# Altium PCB Axiom_Gamma_LSB.PcbDoc (part 2 of 4)
Units mm, origin at the board's own origin, x right, y up, seen from the top; angles counter-clockwise.
Board outline 111 x 121 mm, 4 copper layers (Component Side, Signal Layer, Ground Plane, Solder Side), stack 0.844 mm thick; 55 components, 86 nets, 485 pads, 241 vias.
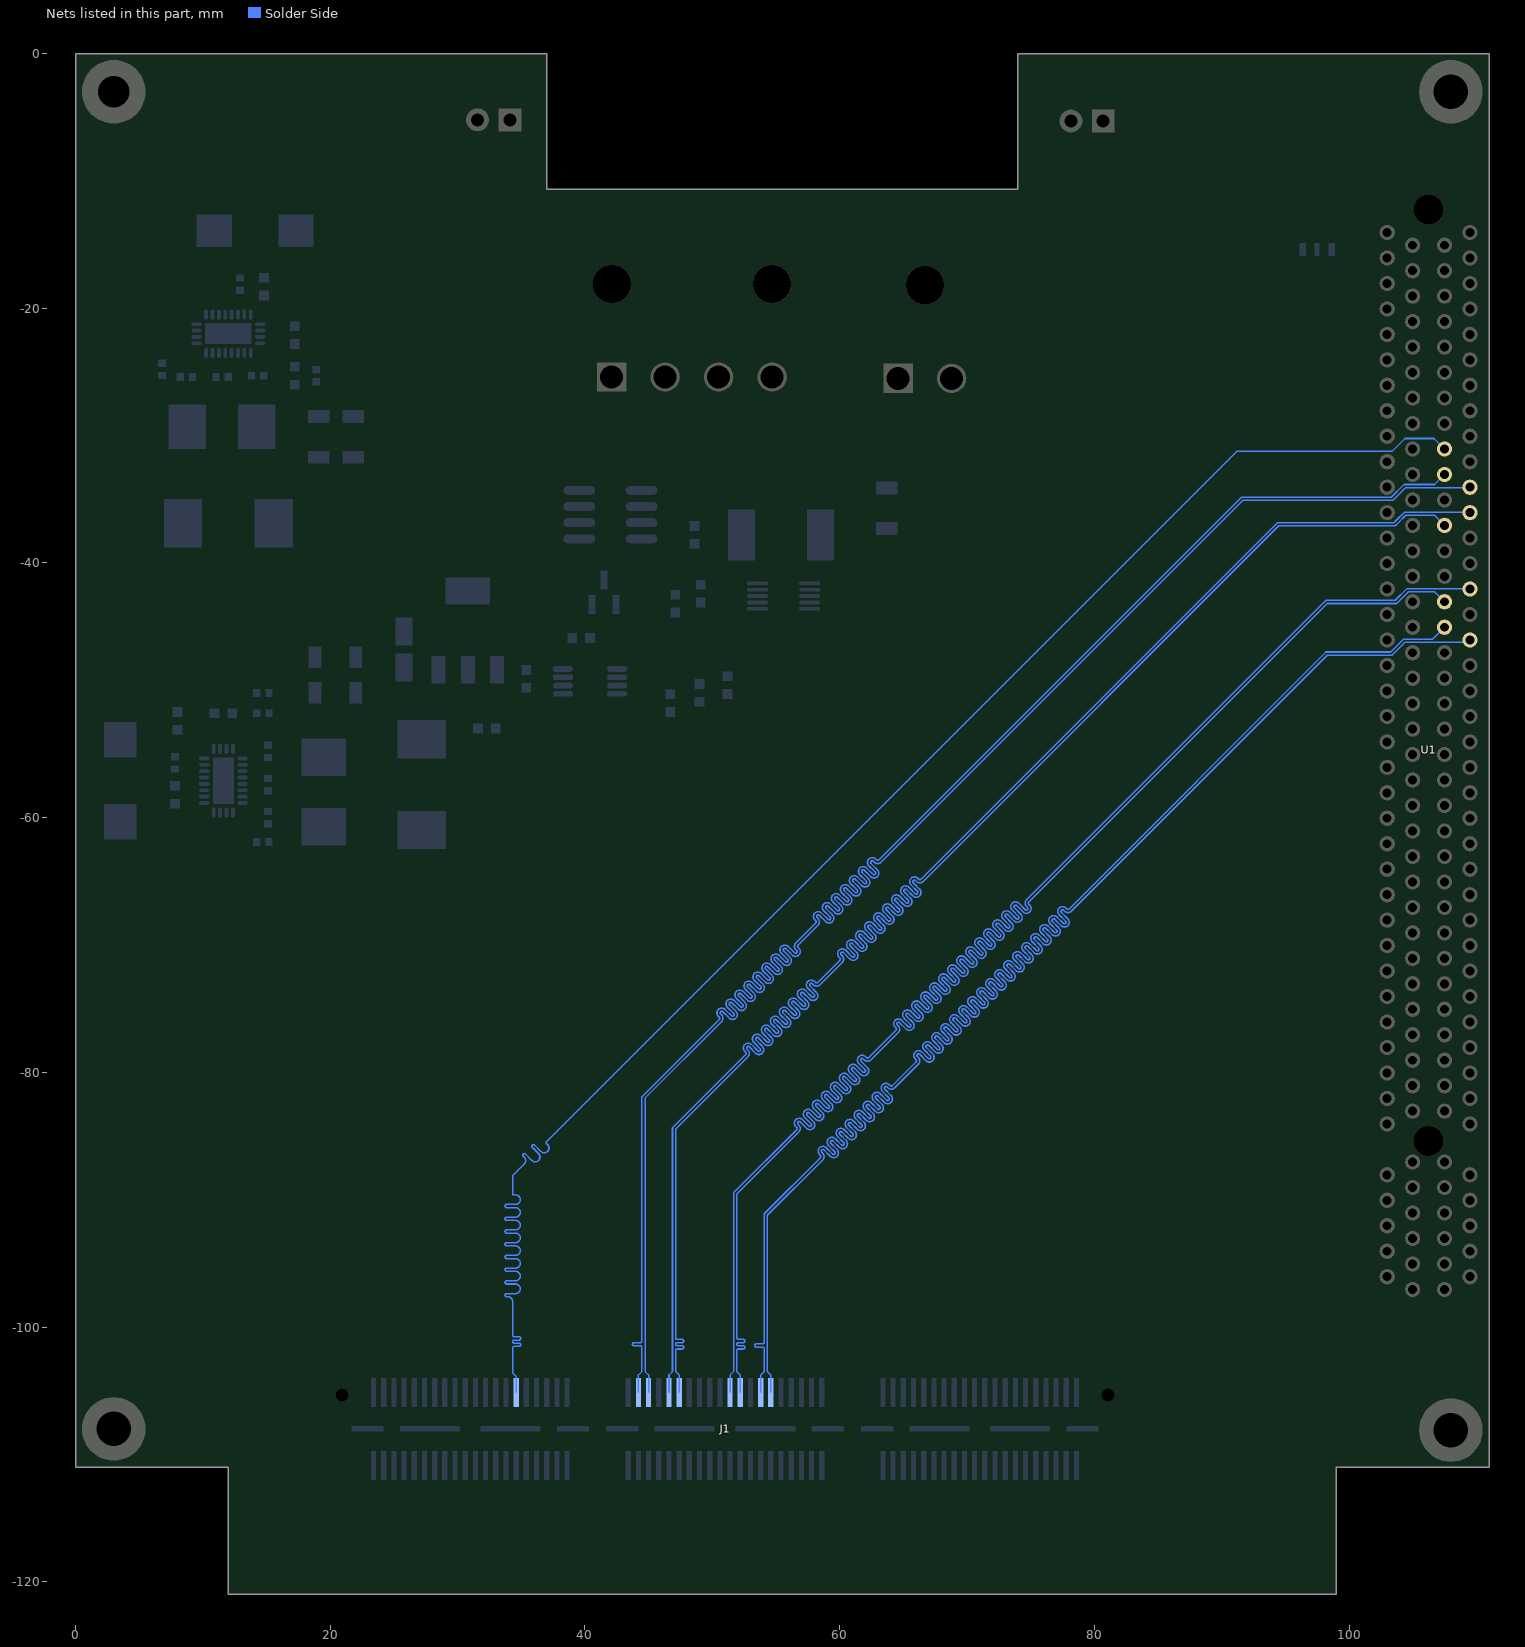
[diagram p4: the nets of this part, all layers, seen from the top]

## Via types
v1: diameter 0.6, hole 0.25, Component Side to Solder Side, 241 vias

## Nets (pads, with @x,y where several pads share a name; then routed paths per layer and width w, separated by ;. In a path a pad name is that pad's centre, name@x,y a point inside that pad or via, vN(x,y) a via of type N, cw(c..) or ccw(c..) an arc to the next point about the centre after c; other vN are vias at no path point) (continued)
HSIOM2_LVDS_4_SSCLK_P: J1.92 U1.B65 | length 136.1
  Solder Side w0.125: J1.92@34.598,-105.135 34.598,-103.893 34.323,-103.618 34.323,-101.9 34.323,-101.775 34.323,-101.65 cw(c34.448,-101.65) 34.448,-101.525 34.832,-101.525 ccw(c34.832,-101.4) 34.957,-101.4 ccw(c34.832,-101.4) 34.832,-101.275 34.448,-101.275 cw(c34.448,-101.15) 34.323,-101.15 cw(c34.448,-101.15) 34.448,-101.025 34.832,-101.025 ccw(c34.832,-100.9) 34.957,-100.9 ccw(c34.832,-100.9) 34.832,-100.775 34.448,-100.775 cw(c34.448,-100.65) 34.323,-100.65 34.323,-100.6 34.323,-98 ccw(c33.948,-98) 33.948,-97.625 33.848,-97.625 cw(c33.848,-97.5) 33.723,-97.5 cw(c33.848,-97.5) 33.848,-97.375 34.548,-97.375 ccw(c34.548,-97) 34.923,-97 ccw(c34.548,-97) 34.548,-96.625 33.848,-96.625 cw(c33.848,-96.5) 33.723,-96.5 cw(c33.848,-96.5) 33.848,-96.375 34.548,-96.375 ccw(c34.548,-96) 34.923,-96 ccw(c34.548,-96) 34.548,-95.625 33.848,-95.625 cw(c33.848,-95.5) 33.723,-95.5 cw(c33.848,-95.5) 33.848,-95.375 34.548,-95.375 ccw(c34.548,-95) 34.923,-95 ccw(c34.548,-95) 34.548,-94.625 33.848,-94.625 cw(c33.848,-94.5) 33.723,-94.5 cw(c33.848,-94.5) 33.848,-94.375 34.548,-94.375 ccw(c34.548,-94) 34.923,-94 ccw(c34.548,-94) 34.548,-93.625 33.848,-93.625 cw(c33.848,-93.5) 33.723,-93.5 cw(c33.848,-93.5) 33.848,-93.375 34.548,-93.375 ccw(c34.548,-93) 34.923,-93 ccw(c34.548,-93) 34.548,-92.625 33.848,-92.625 cw(c33.848,-92.5) 33.723,-92.5 cw(c33.848,-92.5) 33.848,-92.375 34.548,-92.375 ccw(c34.548,-92) 34.923,-92 ccw(c34.548,-92) 34.548,-91.625 33.848,-91.625 cw(c33.848,-91.5) 33.723,-91.5 cw(c33.848,-91.5) 33.848,-91.375 34.548,-91.375 ccw(c34.548,-91) 34.923,-91 ccw(c34.548,-91) 34.548,-90.625 33.848,-90.625 cw(c33.848,-90.5) 33.723,-90.5 cw(c33.848,-90.5) 33.848,-90.375 34.548,-90.375 ccw(c34.548,-90) 34.923,-90 ccw(c34.548,-90) 34.548,-89.625 34.348,-89.625 cw(c34.348,-89.6) 34.323,-89.6 34.323,-88.107 35.23,-87.2 ccw(c34.965,-86.935) 35.34,-86.935 ccw(c34.965,-86.935) 35.23,-86.67 35.159,-86.599 cw(c35.248,-86.511) 35.159,-86.423 ; 35.159,-86.422 cw(c35.248,-86.511) 35.336,-86.422 ; 35.336,-86.422 35.831,-86.917 ccw(c36.096,-86.652) 36.361,-86.917 ccw(c36.096,-86.652) 36.471,-86.652 ccw(c36.096,-86.652) 36.361,-86.387 35.866,-85.892 cw(c35.955,-85.803) 35.866,-85.715 cw(c35.955,-85.803) 36.043,-85.715 ; 36.043,-85.715 36.538,-86.21 ccw(c36.803,-85.945) 37.068,-86.21 ccw(c36.803,-85.945) 37.178,-85.945 ccw(c36.803,-85.945) 37.068,-85.68 36.998,-85.609 cw(c37.086,-85.521) 36.998,-85.432 91.19,-31.24 103.382,-31.24 104.394,-30.228 106.678,-30.228 U1.B65@107.5,-31.05
HSIOM2_LVDS_5_N: J1.78 U1.B63 | length 136
  Solder Side w0.125: J1.78@44.198,-105.135 44.198,-103.761 44.473,-103.486 44.473,-101.6 ccw(c44.348,-101.6) 44.348,-101.475 43.854,-101.475 cw(c43.854,-101.35) 43.729,-101.35 cw(c43.854,-101.35) 43.854,-101.225 44.348,-101.225 ccw(c44.348,-101.1) 44.473,-101.1 44.473,-100.5 44.473,-81.921 50.547,-75.847 ccw(c50.459,-75.759) 50.584,-75.759 ccw(c50.459,-75.759) 50.547,-75.67 50.477,-75.6 cw(c50.742,-75.335) 50.477,-75.069 cw(c50.742,-75.335) 51.007,-75.069 51.502,-75.564 ccw(c51.59,-75.476) 51.678,-75.565 ; 51.679,-75.564 ccw(c51.59,-75.476) 51.715,-75.476 ccw(c51.59,-75.476) 51.679,-75.388 51.184,-74.893 cw(c51.449,-74.627) 51.184,-74.362 cw(c51.449,-74.627) 51.714,-74.362 52.209,-74.858 ; 52.209,-74.857 ccw(c52.297,-74.769) 52.385,-74.858 ; 52.386,-74.857 ccw(c52.297,-74.769) 52.422,-74.769 ccw(c52.297,-74.769) 52.386,-74.68 51.891,-74.186 cw(c52.156,-73.92) 51.891,-73.655 cw(c52.156,-73.92) 52.421,-73.655 52.916,-74.15 ; 52.916,-74.15 ccw(c53.004,-74.062) 53.092,-74.151 ; 53.093,-74.15 ccw(c53.004,-74.062) 53.129,-74.062 ccw(c53.004,-74.062) 53.093,-73.973 52.598,-73.478 cw(c52.863,-73.213) 52.598,-72.948 cw(c52.863,-73.213) 53.128,-72.948 53.623,-73.443 ccw(c53.712,-73.355) 53.8,-73.443 ccw(c53.712,-73.355) 53.837,-73.355 ccw(c53.712,-73.355) 53.8,-73.266 53.305,-72.771 cw(c53.57,-72.506) 53.305,-72.241 cw(c53.57,-72.506) 53.835,-72.241 54.33,-72.736 ccw(c54.419,-72.648) 54.507,-72.736 ccw(c54.419,-72.648) 54.544,-72.648 ccw(c54.419,-72.648) 54.507,-72.559 54.012,-72.064 cw(c54.277,-71.799) 54.012,-71.534 cw(c54.277,-71.799) 54.542,-71.534 55.037,-72.029 ccw(c55.126,-71.94) 55.214,-72.029 ; 55.214,-72.029 ccw(c55.126,-71.94) 55.251,-71.94 ccw(c55.126,-71.94) 55.214,-71.852 54.719,-71.357 cw(c54.984,-71.092) 54.719,-70.827 cw(c54.984,-71.092) 55.25,-70.827 55.745,-71.322 ccw(c55.833,-71.233) 55.921,-71.322 ; 55.921,-71.322 ccw(c55.833,-71.233) 55.958,-71.233 ccw(c55.833,-71.233) 55.921,-71.145 55.426,-70.65 cw(c55.691,-70.385) 55.426,-70.12 cw(c55.691,-70.385) 55.957,-70.12 56.452,-70.615 ; 56.452,-70.615 ccw(c56.54,-70.526) 56.628,-70.615 ; 56.629,-70.614 ccw(c56.54,-70.526) 56.665,-70.526 ccw(c56.54,-70.526) 56.628,-70.438 56.558,-70.367 cw(c56.823,-70.102) 56.558,-69.837 58.123,-68.271 ccw(c58.035,-68.183) 58.16,-68.183 ccw(c58.035,-68.183) 58.123,-68.094 58.053,-68.024 cw(c58.318,-67.759) 58.053,-67.493 cw(c58.318,-67.759) 58.583,-67.493 59.078,-67.988 ccw(c59.166,-67.9) 59.254,-67.989 ccw(c59.166,-67.9) 59.291,-67.9 ccw(c59.166,-67.9) 59.255,-67.812 ; 59.255,-67.812 58.76,-67.317 cw(c59.025,-67.051) 58.76,-66.786 cw(c59.025,-67.051) 59.29,-66.786 59.785,-67.282 ccw(c59.873,-67.193) 59.961,-67.282 ccw(c59.873,-67.193) 59.998,-67.193 ccw(c59.873,-67.193) 59.962,-67.104 59.467,-66.61 cw(c59.732,-66.344) 59.467,-66.079 cw(c59.732,-66.344) 59.997,-66.079 60.492,-66.574 ccw(c60.58,-66.486) 60.668,-66.575 ; 60.669,-66.574 ccw(c60.58,-66.486) 60.705,-66.486 ccw(c60.58,-66.486) 60.669,-66.397 60.174,-65.902 cw(c60.439,-65.637) 60.174,-65.372 cw(c60.439,-65.637) 60.704,-65.372 61.199,-65.867 ; 61.199,-65.867 ccw(c61.288,-65.779) 61.376,-65.867 ; 61.376,-65.867 ccw(c61.288,-65.779) 61.413,-65.779 ccw(c61.288,-65.779) 61.376,-65.69 60.881,-65.195 cw(c61.146,-64.93) 60.881,-64.665 cw(c61.146,-64.93) 61.411,-64.665 61.906,-65.16 ; 61.907,-65.16 ccw(c61.995,-65.072) 62.083,-65.16 ccw(c61.995,-65.072) 62.12,-65.072 ccw(c61.995,-65.072) 62.083,-64.983 61.588,-64.488 cw(c61.853,-64.223) 61.588,-63.958 cw(c61.853,-64.223) 62.118,-63.958 62.613,-64.453 ccw(c62.702,-64.364) 62.79,-64.453 ccw(c62.702,-64.364) 62.827,-64.364 ccw(c62.702,-64.364) 62.79,-64.276 ; 62.79,-64.276 62.295,-63.781 cw(c62.56,-63.516) 62.295,-63.251 cw(c62.56,-63.516) 62.826,-63.251 62.896,-63.321 ccw(c62.985,-63.233) 63.073,-63.321 91.557,-34.838 103.326,-34.838 104.326,-33.838 106.712,-33.838 U1.B63@107.5,-33.05
HSIOM2_LVDS_5_P: J1.76 U1.B62 | length 136
  Solder Side w0.125: J1.76@44.998,-105.135 44.998,-103.761 44.723,-103.486 44.723,-101.6 44.723,-101.1 44.723,-100.5 44.723,-82.025 50.724,-76.024 ccw(c50.459,-75.759) 50.834,-75.759 ccw(c50.459,-75.759) 50.724,-75.494 50.653,-75.423 cw(c50.742,-75.335) 50.653,-75.247 ; 50.653,-75.246 cw(c50.742,-75.335) 50.83,-75.246 ; 50.83,-75.246 51.325,-75.741 ccw(c51.59,-75.476) 51.855,-75.741 ccw(c51.59,-75.476) 51.965,-75.476 ccw(c51.59,-75.476) 51.855,-75.211 51.36,-74.716 cw(c51.449,-74.627) 51.36,-74.539 cw(c51.449,-74.627) 51.537,-74.539 ; 51.537,-74.539 52.032,-75.034 ccw(c52.297,-74.769) 52.562,-75.034 ccw(c52.297,-74.769) 52.672,-74.769 ccw(c52.297,-74.769) 52.562,-74.504 52.067,-74.008 cw(c52.156,-73.92) 52.067,-73.832 cw(c52.156,-73.92) 52.244,-73.832 52.739,-74.327 ccw(c53.004,-74.062) 53.27,-74.327 ccw(c53.004,-74.062) 53.379,-74.062 ccw(c53.004,-74.062) 53.27,-73.797 52.774,-73.301 cw(c52.863,-73.213) 52.774,-73.125 cw(c52.863,-73.213) 52.951,-73.125 53.446,-73.62 ccw(c53.712,-73.355) 53.977,-73.62 ccw(c53.712,-73.355) 54.087,-73.355 ccw(c53.712,-73.355) 53.977,-73.089 53.482,-72.594 ; 53.482,-72.594 cw(c53.57,-72.506) 53.482,-72.418 cw(c53.57,-72.506) 53.658,-72.417 53.906,-72.665 54.154,-72.913 ccw(c54.419,-72.648) 54.684,-72.913 ccw(c54.419,-72.648) 54.794,-72.648 ccw(c54.419,-72.648) 54.684,-72.382 54.189,-71.887 cw(c54.277,-71.799) 54.188,-71.711 ; 54.189,-71.711 cw(c54.277,-71.799) 54.366,-71.711 ; 54.365,-71.71 54.861,-72.206 ccw(c55.126,-71.94) 55.391,-72.206 ccw(c55.126,-71.94) 55.501,-71.94 ccw(c55.126,-71.94) 55.391,-71.675 54.896,-71.18 cw(c54.984,-71.092) 54.896,-71.004 cw(c54.984,-71.092) 55.073,-71.003 ; 55.073,-71.003 55.568,-71.498 ccw(c55.833,-71.233) 56.098,-71.498 ccw(c55.833,-71.233) 56.208,-71.233 ccw(c55.833,-71.233) 56.098,-70.968 55.603,-70.473 cw(c55.691,-70.385) 55.603,-70.297 cw(c55.691,-70.385) 55.78,-70.296 56.275,-70.791 ccw(c56.54,-70.526) 56.805,-70.791 ccw(c56.54,-70.526) 56.915,-70.526 ccw(c56.54,-70.526) 56.805,-70.261 56.734,-70.19 cw(c56.823,-70.102) 56.734,-70.014 58.3,-68.448 ccw(c58.035,-68.183) 58.41,-68.183 ccw(c58.035,-68.183) 58.3,-67.918 58.229,-67.847 cw(c58.318,-67.759) 58.229,-67.671 cw(c58.318,-67.759) 58.406,-67.67 58.901,-68.165 ccw(c59.166,-67.9) 59.431,-68.165 ccw(c59.166,-67.9) 59.541,-67.9 ccw(c59.166,-67.9) 59.431,-67.635 58.936,-67.14 cw(c59.025,-67.051) 58.936,-66.963 ; 58.936,-66.963 cw(c59.025,-67.051) 59.113,-66.963 59.608,-67.458 ccw(c59.873,-67.193) 60.138,-67.458 ccw(c59.873,-67.193) 60.248,-67.193 ccw(c59.873,-67.193) 60.138,-66.928 59.643,-66.432 ; 59.644,-66.433 cw(c59.732,-66.344) 59.643,-66.256 ; 59.644,-66.256 cw(c59.732,-66.344) 59.82,-66.256 60.315,-66.751 ccw(c60.58,-66.486) 60.846,-66.751 ccw(c60.58,-66.486) 60.955,-66.486 ccw(c60.58,-66.486) 60.846,-66.221 60.35,-65.725 cw(c60.439,-65.637) 60.35,-65.549 cw(c60.439,-65.637) 60.527,-65.549 61.022,-66.044 ccw(c61.288,-65.779) 61.553,-66.044 ccw(c61.288,-65.779) 61.663,-65.779 ccw(c61.288,-65.779) 61.553,-65.513 61.058,-65.018 cw(c61.146,-64.93) 61.058,-64.842 cw(c61.146,-64.93) 61.234,-64.841 61.482,-65.089 61.73,-65.337 ccw(c61.995,-65.072) 62.26,-65.337 ccw(c61.995,-65.072) 62.37,-65.072 ccw(c61.995,-65.072) 62.26,-64.806 ; 61.764,-64.135 ccw(c61.853,-64.223) 61.765,-64.311 62.26,-64.806 ; 61.765,-64.135 cw(c61.853,-64.223) 61.942,-64.135 62.437,-64.63 ccw(c62.702,-64.364) 62.967,-64.63 ccw(c62.702,-64.364) 63.077,-64.364 ccw(c62.702,-64.364) 62.967,-64.099 62.472,-63.604 cw(c62.56,-63.516) 62.472,-63.428 ; 62.472,-63.427 cw(c62.56,-63.516) 62.649,-63.427 62.719,-63.498 ccw(c62.985,-63.233) 63.25,-63.498 91.66,-35.088 103.43,-35.088 104.43,-34.088 106.712,-34.088 109.462,-34.088 U1.B62@109.5,-34.05
HSIOM2_LVDS_6_N: J1.72 U1.B60 | length 134.7
  Solder Side w0.125: J1.72@46.598,-105.135 46.598,-103.761 46.873,-103.486 46.873,-102.1 46.873,-101.975 46.873,-101.85 46.873,-100.85 46.873,-100.1 46.873,-84.348 52.623,-78.599 ccw(c52.535,-78.51) 52.66,-78.51 ccw(c52.535,-78.51) 52.623,-78.422 52.553,-78.351 cw(c52.818,-78.086) 52.553,-77.821 cw(c52.818,-78.086) 53.083,-77.821 53.578,-78.316 ccw(c53.666,-78.227) 53.754,-78.316 ; 53.755,-78.316 ccw(c53.666,-78.227) 53.791,-78.227 ccw(c53.666,-78.227) 53.755,-78.139 ; 53.755,-78.139 53.26,-77.644 cw(c53.525,-77.379) 53.26,-77.114 cw(c53.525,-77.379) 53.79,-77.114 54.285,-77.609 ccw(c54.373,-77.52) 54.461,-77.609 ccw(c54.373,-77.52) 54.498,-77.52 ccw(c54.373,-77.52) 54.462,-77.432 ; 54.462,-77.432 53.967,-76.937 cw(c54.232,-76.672) 53.967,-76.407 cw(c54.232,-76.672) 54.497,-76.407 54.992,-76.902 ccw(c55.08,-76.813) 55.168,-76.902 ccw(c55.08,-76.813) 55.205,-76.813 ccw(c55.08,-76.813) 55.169,-76.725 54.674,-76.23 cw(c54.939,-75.965) 54.674,-75.7 cw(c54.939,-75.965) 55.204,-75.7 55.699,-76.195 ccw(c55.788,-76.106) 55.876,-76.195 ; 55.876,-76.195 ccw(c55.788,-76.106) 55.913,-76.106 ccw(c55.788,-76.106) 55.876,-76.018 55.381,-75.523 cw(c55.646,-75.258) 55.381,-74.992 cw(c55.646,-75.258) 55.911,-74.992 56.407,-75.488 ccw(c56.495,-75.399) 56.583,-75.487 ccw(c56.495,-75.399) 56.62,-75.399 ccw(c56.495,-75.399) 56.583,-75.311 56.088,-74.816 cw(c56.353,-74.55) 56.088,-74.285 cw(c56.353,-74.55) 56.618,-74.285 57.113,-74.78 ccw(c57.202,-74.692) 57.29,-74.781 ccw(c57.202,-74.692) 57.327,-74.692 ccw(c57.202,-74.692) 57.29,-74.604 ; 57.29,-74.604 56.795,-74.109 cw(c57.06,-73.843) 56.795,-73.578 cw(c57.06,-73.843) 57.326,-73.578 57.821,-74.073 ccw(c57.909,-73.985) 57.997,-74.074 ccw(c57.909,-73.985) 58.034,-73.985 ccw(c57.909,-73.985) 57.997,-73.896 57.502,-73.401 cw(c57.767,-73.136) 57.502,-72.871 cw(c57.767,-73.136) 58.033,-72.871 58.103,-72.942 ccw(c58.192,-72.853) 58.28,-72.942 60.022,-71.2 ccw(c59.934,-71.112) 60.059,-71.112 ccw(c59.934,-71.112) 60.022,-71.023 59.951,-70.953 cw(c60.216,-70.687) 59.951,-70.422 cw(c60.216,-70.687) 60.482,-70.422 60.977,-70.917 ccw(c61.065,-70.829) 61.153,-70.918 ccw(c61.065,-70.829) 61.19,-70.829 ccw(c61.065,-70.829) 61.153,-70.74 60.658,-70.245 cw(c60.924,-69.98) 60.658,-69.715 cw(c60.924,-69.98) 61.189,-69.715 61.684,-70.21 ccw(c61.772,-70.122) 61.86,-70.21 ccw(c61.772,-70.122) 61.897,-70.122 ccw(c61.772,-70.122) 61.86,-70.033 61.365,-69.538 cw(c61.631,-69.273) 61.365,-69.008 cw(c61.631,-69.273) 61.896,-69.008 62.391,-69.503 ccw(c62.479,-69.415) 62.567,-69.503 ; 62.568,-69.503 ccw(c62.479,-69.415) 62.604,-69.415 ccw(c62.479,-69.415) 62.568,-69.326 62.073,-68.831 cw(c62.338,-68.566) 62.073,-68.301 cw(c62.338,-68.566) 62.603,-68.301 63.098,-68.796 ; 63.098,-68.796 ccw(c63.186,-68.707) 63.274,-68.796 ; 63.275,-68.796 ccw(c63.186,-68.707) 63.311,-68.707 ccw(c63.186,-68.707) 63.275,-68.619 62.78,-68.124 cw(c63.045,-67.859) 62.78,-67.594 cw(c63.045,-67.859) 63.31,-67.594 63.805,-68.089 ccw(c63.893,-68) 63.982,-68.089 ccw(c63.893,-68) 64.018,-68 ccw(c63.893,-68) 63.982,-67.912 ; 63.982,-67.912 63.487,-67.417 cw(c63.752,-67.152) 63.487,-66.887 cw(c63.752,-67.152) 64.017,-66.887 64.512,-67.382 ccw(c64.601,-67.293) 64.689,-67.382 ccw(c64.601,-67.293) 64.726,-67.293 ccw(c64.601,-67.293) 64.689,-67.205 64.194,-66.71 cw(c64.459,-66.445) 64.194,-66.179 cw(c64.459,-66.445) 64.724,-66.179 65.219,-66.674 ccw(c65.308,-66.586) 65.396,-66.675 ccw(c65.308,-66.586) 65.433,-66.586 ccw(c65.308,-66.586) 65.396,-66.498 64.901,-66.003 cw(c65.166,-65.738) 64.901,-65.472 cw(c65.166,-65.738) 65.431,-65.472 65.927,-65.968 ccw(c66.015,-65.879) 66.103,-65.968 ; 66.104,-65.967 ccw(c66.015,-65.879) 66.14,-65.879 ccw(c66.015,-65.879) 66.103,-65.791 65.608,-65.296 cw(c65.873,-65.03) 65.608,-64.765 cw(c65.873,-65.03) 66.139,-64.765 66.209,-64.836 ccw(c66.298,-64.748) 66.386,-64.836 94.384,-36.838 103.527,-36.838 103.709,-36.655 104.352,-36.012 109.462,-36.012 U1.B60@109.5,-36.05
HSIOM2_LVDS_6_P: J1.70 U1.B59 | length 134.7
  Solder Side w0.125: J1.70@47.398,-105.135 47.398,-103.761 47.123,-103.486 47.123,-102.1 47.123,-101.975 47.123,-101.85 cw(c47.248,-101.85) 47.248,-101.725 47.632,-101.725 ccw(c47.632,-101.6) 47.757,-101.6 ccw(c47.632,-101.6) 47.632,-101.475 47.248,-101.475 cw(c47.248,-101.35) 47.123,-101.35 cw(c47.248,-101.35) 47.248,-101.225 47.632,-101.225 ccw(c47.632,-101.1) 47.757,-101.1 ccw(c47.632,-101.1) 47.632,-100.975 47.248,-100.975 cw(c47.248,-100.85) 47.123,-100.85 47.123,-100.1 47.123,-84.452 52.8,-78.776 ccw(c52.535,-78.51) 52.91,-78.51 ccw(c52.535,-78.51) 52.8,-78.245 52.729,-78.174 cw(c52.818,-78.086) 52.729,-77.998 cw(c52.818,-78.086) 52.906,-77.998 53.401,-78.493 ccw(c53.666,-78.227) 53.931,-78.493 ccw(c53.666,-78.227) 54.041,-78.227 ccw(c53.666,-78.227) 53.931,-77.962 53.436,-77.467 cw(c53.525,-77.379) 53.436,-77.291 cw(c53.525,-77.379) 53.613,-77.291 54.108,-77.786 ccw(c54.373,-77.52) 54.638,-77.786 ccw(c54.373,-77.52) 54.748,-77.52 ccw(c54.373,-77.52) 54.638,-77.255 54.143,-76.76 ; 54.143,-76.584 ccw(c54.232,-76.672) 54.144,-76.76 ; 54.144,-76.583 cw(c54.232,-76.672) 54.32,-76.583 54.815,-77.078 ccw(c55.08,-76.813) 55.346,-77.078 ccw(c55.08,-76.813) 55.455,-76.813 ccw(c55.08,-76.813) 55.346,-76.548 54.85,-76.053 cw(c54.939,-75.965) 54.85,-75.877 cw(c54.939,-75.965) 55.027,-75.876 55.522,-76.371 ccw(c55.788,-76.106) 56.053,-76.371 ccw(c55.788,-76.106) 56.163,-76.106 ccw(c55.788,-76.106) 56.053,-75.841 55.558,-75.346 cw(c55.646,-75.258) 55.558,-75.169 cw(c55.646,-75.258) 55.734,-75.169 55.982,-75.417 56.23,-75.664 ccw(c56.495,-75.399) 56.76,-75.664 ccw(c56.495,-75.399) 56.87,-75.399 ccw(c56.495,-75.399) 56.76,-75.134 56.265,-74.639 cw(c56.353,-74.55) 56.264,-74.463 cw(c56.353,-74.55) 56.442,-74.462 56.937,-74.957 ccw(c57.202,-74.692) 57.467,-74.957 ccw(c57.202,-74.692) 57.577,-74.692 ccw(c57.202,-74.692) 57.467,-74.427 56.972,-73.932 cw(c57.06,-73.843) 56.972,-73.755 ; 56.972,-73.755 cw(c57.06,-73.843) 57.149,-73.755 57.644,-74.25 ccw(c57.909,-73.985) 58.174,-74.25 ccw(c57.909,-73.985) 58.284,-73.985 ccw(c57.909,-73.985) 58.174,-73.72 57.679,-73.224 ; 57.679,-73.048 ccw(c57.767,-73.136) 57.679,-73.225 ; 57.679,-73.048 cw(c57.767,-73.136) 57.856,-73.048 57.927,-73.119 ccw(c58.192,-72.853) 58.457,-73.119 60.199,-71.377 ccw(c59.934,-71.112) 60.309,-71.112 ccw(c59.934,-71.112) 60.199,-70.846 60.128,-70.776 cw(c60.216,-70.687) 60.128,-70.599 cw(c60.216,-70.687) 60.305,-70.599 60.8,-71.094 ccw(c61.065,-70.829) 61.33,-71.094 ccw(c61.065,-70.829) 61.44,-70.829 ccw(c61.065,-70.829) 61.33,-70.564 60.835,-70.069 cw(c60.924,-69.98) 60.835,-69.892 ; 60.835,-69.892 cw(c60.924,-69.98) 61.012,-69.892 61.507,-70.387 ccw(c61.772,-70.122) 62.037,-70.387 ccw(c61.772,-70.122) 62.147,-70.122 ccw(c61.772,-70.122) 62.037,-69.856 61.542,-69.361 cw(c61.631,-69.273) 61.542,-69.185 ; 61.543,-69.184 cw(c61.631,-69.273) 61.719,-69.185 62.214,-69.68 ccw(c62.479,-69.415) 62.744,-69.68 ccw(c62.479,-69.415) 62.854,-69.415 ccw(c62.479,-69.415) 62.744,-69.149 62.249,-68.654 cw(c62.338,-68.566) 62.249,-68.478 cw(c62.338,-68.566) 62.426,-68.478 62.921,-68.973 ccw(c63.186,-68.707) 63.451,-68.973 ccw(c63.186,-68.707) 63.561,-68.707 ccw(c63.186,-68.707) 63.451,-68.442 62.956,-67.947 cw(c63.045,-67.859) 62.956,-67.771 cw(c63.045,-67.859) 63.133,-67.77 63.381,-68.018 63.628,-68.265 ccw(c63.893,-68) 64.159,-68.265 ccw(c63.893,-68) 64.268,-68 ccw(c63.893,-68) 64.159,-67.735 63.664,-67.24 cw(c63.752,-67.152) 63.663,-67.064 ; 63.664,-67.063 cw(c63.752,-67.152) 63.84,-67.063 64.335,-67.558 ccw(c64.601,-67.293) 64.866,-67.558 ccw(c64.601,-67.293) 64.976,-67.293 ccw(c64.601,-67.293) 64.866,-67.028 64.371,-66.533 cw(c64.459,-66.445) 64.37,-66.357 ; 64.371,-66.356 cw(c64.459,-66.445) 64.547,-66.356 65.042,-66.851 ccw(c65.308,-66.586) 65.573,-66.851 ccw(c65.308,-66.586) 65.683,-66.586 ccw(c65.308,-66.586) 65.573,-66.321 65.078,-65.826 cw(c65.166,-65.738) 65.077,-65.65 cw(c65.166,-65.738) 65.255,-65.649 ; 65.254,-65.649 65.75,-66.144 ccw(c66.015,-65.879) 66.28,-66.144 ccw(c66.015,-65.879) 66.39,-65.879 ccw(c66.015,-65.879) 66.28,-65.614 65.785,-65.119 cw(c65.873,-65.03) 65.785,-64.942 cw(c65.873,-65.03) 65.962,-64.942 66.032,-65.013 ccw(c66.298,-64.748) 66.563,-65.013 94.488,-37.088 103.63,-37.088 103.886,-36.832 104.456,-36.262 106.712,-36.262 U1.B59@107.5,-37.05
HSIOM2_LVDS_7_N: J1.60 U1.B54 | length 135.2
  Solder Side w0.125: J1.60@51.398,-105.135 51.398,-103.761 51.673,-103.486 51.673,-102.1 51.673,-101.975 51.673,-101.85 51.673,-100.85 51.673,-100.5 51.673,-89.453 56.626,-84.5 ccw(c56.538,-84.412) 56.663,-84.412 ccw(c56.538,-84.412) 56.626,-84.323 56.556,-84.253 cw(c56.821,-83.987) 56.556,-83.722 cw(c56.821,-83.987) 57.086,-83.722 57.581,-84.217 ccw(c57.669,-84.129) 57.757,-84.218 ; 57.758,-84.217 ccw(c57.669,-84.129) 57.794,-84.129 ccw(c57.669,-84.129) 57.758,-84.04 57.263,-83.545 cw(c57.528,-83.28) 57.263,-83.015 cw(c57.528,-83.28) 57.793,-83.015 58.288,-83.51 ; 58.288,-83.51 ccw(c58.377,-83.422) 58.465,-83.51 ; 58.465,-83.51 ccw(c58.377,-83.422) 58.502,-83.422 ccw(c58.377,-83.422) 58.465,-83.333 ; 58.465,-83.334 57.97,-82.838 cw(c58.235,-82.573) 57.97,-82.308 cw(c58.235,-82.573) 58.5,-82.308 58.996,-82.803 ccw(c59.084,-82.715) 59.172,-82.803 ; 59.172,-82.803 ccw(c59.084,-82.715) 59.209,-82.715 ccw(c59.084,-82.715) 59.172,-82.626 58.677,-82.131 cw(c58.942,-81.866) 58.677,-81.601 cw(c58.942,-81.866) 59.207,-81.601 59.703,-82.096 ccw(c59.791,-82.007) 59.879,-82.096 ccw(c59.791,-82.007) 59.916,-82.007 ccw(c59.791,-82.007) 59.879,-81.919 59.384,-81.424 cw(c59.649,-81.159) 59.384,-80.894 cw(c59.649,-81.159) 59.915,-80.894 60.41,-81.389 ccw(c60.498,-81.3) 60.586,-81.389 ccw(c60.498,-81.3) 60.623,-81.3 ccw(c60.498,-81.3) 60.586,-81.212 60.091,-80.717 cw(c60.356,-80.452) 60.091,-80.187 cw(c60.356,-80.452) 60.622,-80.187 61.117,-80.682 ccw(c61.205,-80.593) 61.293,-80.682 ; 61.293,-80.682 ccw(c61.205,-80.593) 61.33,-80.593 ccw(c61.205,-80.593) 61.293,-80.505 60.798,-80.01 cw(c61.064,-79.745) 60.798,-79.479 cw(c61.064,-79.745) 61.329,-79.479 61.824,-79.974 ccw(c61.912,-79.886) 62,-79.975 ; 62.001,-79.974 ccw(c61.912,-79.886) 62.037,-79.886 ccw(c61.912,-79.886) 62.001,-79.798 61.506,-79.303 cw(c61.771,-79.038) 61.506,-78.772 cw(c61.771,-79.038) 62.036,-78.772 62.107,-78.843 ccw(c62.195,-78.755) 62.283,-78.843 64.426,-76.7 ccw(c64.338,-76.612) 64.463,-76.612 ccw(c64.338,-76.612) 64.426,-76.523 64.356,-76.453 cw(c64.621,-76.187) 64.356,-75.922 cw(c64.621,-76.187) 64.886,-75.922 65.381,-76.417 ccw(c65.469,-76.329) 65.557,-76.418 ; 65.558,-76.417 ccw(c65.469,-76.329) 65.594,-76.329 ccw(c65.469,-76.329) 65.558,-76.24 ; 65.558,-76.241 65.063,-75.745 cw(c65.328,-75.48) 65.063,-75.215 cw(c65.328,-75.48) 65.593,-75.215 66.088,-75.71 ccw(c66.177,-75.622) 66.265,-75.71 ccw(c66.177,-75.622) 66.302,-75.622 ccw(c66.177,-75.622) 66.265,-75.533 ; 66.265,-75.534 65.77,-75.038 cw(c66.035,-74.773) 65.77,-74.508 cw(c66.035,-74.773) 66.3,-74.508 66.796,-75.003 ccw(c66.884,-74.915) 66.972,-75.003 ccw(c66.884,-74.915) 67.009,-74.915 ccw(c66.884,-74.915) 66.972,-74.826 66.477,-74.331 cw(c66.742,-74.066) 66.477,-73.801 cw(c66.742,-74.066) 67.007,-73.801 67.503,-74.296 ; 67.502,-74.296 ccw(c67.591,-74.207) 67.679,-74.296 ; 67.679,-74.296 ccw(c67.591,-74.207) 67.716,-74.207 ccw(c67.591,-74.207) 67.679,-74.119 67.184,-73.624 cw(c67.449,-73.359) 67.184,-73.094 cw(c67.449,-73.359) 67.715,-73.094 68.21,-73.589 ccw(c68.298,-73.5) 68.386,-73.589 ccw(c68.298,-73.5) 68.423,-73.5 ccw(c68.298,-73.5) 68.386,-73.412 ; 68.387,-73.412 67.891,-72.917 cw(c68.156,-72.652) 67.891,-72.387 cw(c68.156,-72.652) 68.422,-72.387 68.917,-72.882 ccw(c69.005,-72.793) 69.093,-72.882 ; 69.093,-72.882 ccw(c69.005,-72.793) 69.13,-72.793 ccw(c69.005,-72.793) 69.093,-72.705 68.598,-72.21 cw(c68.864,-71.945) 68.598,-71.679 cw(c68.864,-71.945) 69.129,-71.679 69.624,-72.174 ccw(c69.712,-72.086) 69.8,-72.175 ccw(c69.712,-72.086) 69.837,-72.086 ccw(c69.712,-72.086) 69.801,-71.998 69.306,-71.503 cw(c69.571,-71.238) 69.306,-70.972 cw(c69.571,-71.238) 69.836,-70.972 70.331,-71.468 ccw(c70.419,-71.379) 70.507,-71.468 ccw(c70.419,-71.379) 70.544,-71.379 ccw(c70.419,-71.379) 70.508,-71.291 70.013,-70.796 cw(c70.278,-70.53) 70.013,-70.265 cw(c70.278,-70.53) 70.543,-70.265 71.038,-70.76 ; 71.038,-70.76 ccw(c71.126,-70.672) 71.214,-70.761 ; 71.215,-70.76 ccw(c71.126,-70.672) 71.251,-70.672 ccw(c71.126,-70.672) 71.215,-70.583 70.72,-70.088 cw(c70.985,-69.823) 70.72,-69.558 cw(c70.985,-69.823) 71.25,-69.558 71.745,-70.053 ; 71.674,-69.629 71.427,-69.381 cw(c71.692,-69.116) 71.427,-68.851 cw(c71.692,-69.116) 71.957,-68.851 72.452,-69.346 ccw(c72.541,-69.258) 72.629,-69.346 ccw(c72.541,-69.258) 72.666,-69.258 ccw(c72.541,-69.258) 72.629,-69.169 ; 71.675,-69.629 71.922,-69.876 ; 71.745,-70.053 ccw(c71.833,-69.965) 71.922,-70.053 ccw(c71.833,-69.965) 71.958,-69.965 ccw(c71.833,-69.965) 71.922,-69.877 ; 72.629,-69.169 72.134,-68.674 cw(c72.399,-68.409) 72.134,-68.144 cw(c72.399,-68.409) 72.664,-68.144 73.159,-68.639 ccw(c73.248,-68.55) 73.336,-68.639 ccw(c73.248,-68.55) 73.373,-68.55 ccw(c73.248,-68.55) 73.336,-68.462 72.841,-67.967 cw(c73.106,-67.702) 72.841,-67.437 cw(c73.106,-67.702) 73.371,-67.437 73.867,-67.932 ccw(c73.955,-67.843) 74.043,-67.932 ; 74.043,-67.932 ccw(c73.955,-67.843) 74.08,-67.843 ccw(c73.955,-67.843) 74.043,-67.755 73.548,-67.26 cw(c73.813,-66.995) 73.548,-66.73 cw(c73.813,-66.995) 74.079,-66.73 74.574,-67.225 ; 74.574,-67.225 ccw(c74.662,-67.136) 74.75,-67.225 ; 74.751,-67.224 ccw(c74.662,-67.136) 74.787,-67.136 ccw(c74.662,-67.136) 74.75,-67.048 74.68,-66.977 cw(c74.945,-66.712) 74.68,-66.447 98.194,-42.932 103.628,-42.932 104.548,-42.012 106.712,-42.012 109.462,-42.012 U1.B54@109.5,-42.05
HSIOM2_LVDS_7_P: J1.58 U1.B53 | length 135.2
  Solder Side w0.125: J1.58@52.198,-105.135 52.198,-103.761 51.923,-103.486 51.923,-102.1 51.923,-101.975 51.923,-101.85 cw(c52.048,-101.85) 52.048,-101.725 52.432,-101.725 ccw(c52.432,-101.6) 52.557,-101.6 ccw(c52.432,-101.6) 52.432,-101.475 52.048,-101.475 cw(c52.048,-101.35) 51.923,-101.35 cw(c52.048,-101.35) 52.048,-101.225 52.432,-101.225 ccw(c52.432,-101.1) 52.557,-101.1 ccw(c52.432,-101.1) 52.432,-100.975 52.048,-100.975 cw(c52.048,-100.85) 51.923,-100.85 51.923,-100.5 51.923,-89.557 56.803,-84.677 ccw(c56.538,-84.412) 56.913,-84.412 ccw(c56.538,-84.412) 56.803,-84.146 56.733,-84.076 cw(c56.821,-83.987) 56.732,-83.899 cw(c56.821,-83.987) 56.909,-83.899 ; 56.909,-83.899 57.404,-84.394 ccw(c57.669,-84.129) 57.935,-84.394 ccw(c57.669,-84.129) 58.044,-84.129 ccw(c57.669,-84.129) 57.935,-83.864 57.44,-83.369 cw(c57.528,-83.28) 57.439,-83.192 cw(c57.528,-83.28) 57.616,-83.192 58.111,-83.687 ccw(c58.377,-83.422) 58.642,-83.687 ccw(c58.377,-83.422) 58.752,-83.422 ccw(c58.377,-83.422) 58.642,-83.156 58.146,-82.661 cw(c58.235,-82.573) 58.146,-82.485 cw(c58.235,-82.573) 58.324,-82.485 58.818,-82.98 ccw(c59.084,-82.715) 59.349,-82.98 ccw(c59.084,-82.715) 59.459,-82.715 ccw(c59.084,-82.715) 59.349,-82.449 58.854,-81.954 ; 58.853,-81.778 ccw(c58.942,-81.866) 58.854,-81.954 ; 58.854,-81.778 cw(c58.942,-81.866) 59.031,-81.778 59.526,-82.273 ccw(c59.791,-82.007) 60.056,-82.273 ccw(c59.791,-82.007) 60.166,-82.007 ccw(c59.791,-82.007) 60.056,-81.742 59.561,-81.247 ; 59.561,-81.247 cw(c59.649,-81.159) 59.561,-81.07 cw(c59.649,-81.159) 59.738,-81.07 ; 59.738,-81.07 59.985,-81.318 ; 59.985,-81.318 60.233,-81.565 ccw(c60.498,-81.3) 60.763,-81.565 ccw(c60.498,-81.3) 60.873,-81.3 ccw(c60.498,-81.3) 60.763,-81.035 60.268,-80.54 cw(c60.356,-80.452) 60.268,-80.364 cw(c60.356,-80.452) 60.445,-80.363 ; 60.445,-80.363 60.94,-80.858 ccw(c61.205,-80.593) 61.47,-80.858 ccw(c61.205,-80.593) 61.58,-80.593 ccw(c61.205,-80.593) 61.47,-80.328 60.975,-79.833 cw(c61.064,-79.745) 60.975,-79.657 cw(c61.064,-79.745) 61.152,-79.656 61.647,-80.151 ccw(c61.912,-79.886) 62.177,-80.151 ccw(c61.912,-79.886) 62.287,-79.886 ccw(c61.912,-79.886) 62.177,-79.621 61.682,-79.126 cw(c61.771,-79.038) 61.682,-78.95 ; 61.682,-78.949 cw(c61.771,-79.038) 61.859,-78.949 61.93,-79.02 ccw(c62.195,-78.755) 62.46,-79.02 64.603,-76.877 ccw(c64.338,-76.612) 64.713,-76.612 ccw(c64.338,-76.612) 64.603,-76.346 64.533,-76.276 cw(c64.621,-76.187) 64.532,-76.099 cw(c64.621,-76.187) 64.709,-76.099 65.204,-76.594 ccw(c65.469,-76.329) 65.735,-76.594 ccw(c65.469,-76.329) 65.844,-76.329 ccw(c65.469,-76.329) 65.735,-76.064 65.24,-75.569 cw(c65.328,-75.48) 65.239,-75.392 ; 65.24,-75.392 cw(c65.328,-75.48) 65.416,-75.392 65.911,-75.887 ccw(c66.177,-75.622) 66.442,-75.887 ccw(c66.177,-75.622) 66.552,-75.622 ccw(c66.177,-75.622) 66.442,-75.356 65.946,-74.861 ; 65.946,-74.685 ccw(c66.035,-74.773) 65.947,-74.862 ; 65.947,-74.684 cw(c66.035,-74.773) 66.124,-74.685 66.618,-75.18 ccw(c66.884,-74.915) 67.149,-75.18 ccw(c66.884,-74.915) 67.259,-74.915 ccw(c66.884,-74.915) 67.149,-74.649 66.654,-74.154 cw(c66.742,-74.066) 66.653,-73.978 cw(c66.742,-74.066) 66.831,-73.978 67.326,-74.473 ccw(c67.591,-74.207) 67.856,-74.473 ccw(c67.591,-74.207) 67.966,-74.207 ccw(c67.591,-74.207) 67.856,-73.942 67.361,-73.447 cw(c67.449,-73.359) 67.361,-73.27 cw(c67.449,-73.359) 67.538,-73.27 67.785,-73.518 ; 67.785,-73.518 68.033,-73.765 ccw(c68.298,-73.5) 68.563,-73.765 ccw(c68.298,-73.5) 68.673,-73.5 ccw(c68.298,-73.5) 68.563,-73.235 68.068,-72.74 cw(c68.156,-72.652) 68.068,-72.564 cw(c68.156,-72.652) 68.245,-72.563 68.74,-73.058 ccw(c69.005,-72.793) 69.27,-73.058 ccw(c69.005,-72.793) 69.38,-72.793 ccw(c69.005,-72.793) 69.27,-72.528 68.775,-72.033 cw(c68.864,-71.945) 68.775,-71.857 ; 68.775,-71.856 cw(c68.864,-71.945) 68.952,-71.856 69.447,-72.351 ccw(c69.712,-72.086) 69.977,-72.351 ccw(c69.712,-72.086) 70.087,-72.086 ccw(c69.712,-72.086) 69.977,-71.821 69.482,-71.326 ; 69.482,-71.326 cw(c69.571,-71.238) 69.482,-71.15 ; 69.482,-71.149 cw(c69.571,-71.238) 69.659,-71.149 ; 69.659,-71.149 70.154,-71.644 ccw(c70.419,-71.379) 70.684,-71.644 ccw(c70.419,-71.379) 70.794,-71.379 ccw(c70.419,-71.379) 70.684,-71.114 70.189,-70.619 cw(c70.278,-70.53) 70.189,-70.442 ; 70.19,-70.442 cw(c70.278,-70.53) 70.366,-70.442 70.861,-70.937 ccw(c71.126,-70.672) 71.392,-70.937 ccw(c71.126,-70.672) 71.501,-70.672 ccw(c71.126,-70.672) 71.392,-70.407 70.896,-69.911 cw(c70.985,-69.823) 70.896,-69.735 cw(c70.985,-69.823) 71.073,-69.735 71.568,-70.23 ccw(c71.833,-69.965) 72.099,-70.23 ccw(c71.833,-69.965) 72.208,-69.965 ccw(c71.833,-69.965) 72.099,-69.7 71.604,-69.205 cw(c71.692,-69.116) 71.604,-69.028 cw(c71.692,-69.116) 71.78,-69.028 72.275,-69.523 ccw(c72.541,-69.258) 72.806,-69.523 ccw(c72.541,-69.258) 72.916,-69.258 ccw(c72.541,-69.258) 72.806,-68.992 72.311,-68.497 cw(c72.399,-68.409) 72.31,-68.321 ; 72.311,-68.321 cw(c72.399,-68.409) 72.488,-68.321 72.983,-68.816 ccw(c73.248,-68.55) 73.513,-68.816 ccw(c73.248,-68.55) 73.623,-68.55 ccw(c73.248,-68.55) 73.513,-68.285 73.018,-67.79 ; 73.018,-67.79 cw(c73.106,-67.702) 73.018,-67.614 ; 73.018,-67.614 cw(c73.106,-67.702) 73.195,-67.614 ; 73.194,-67.613 73.69,-68.109 ccw(c73.955,-67.843) 74.22,-68.109 ccw(c73.955,-67.843) 74.33,-67.843 ccw(c73.955,-67.843) 74.22,-67.578 73.725,-67.083 cw(c73.813,-66.995) 73.725,-66.907 ; 73.725,-66.906 cw(c73.813,-66.995) 73.902,-66.906 74.397,-67.401 ccw(c74.662,-67.136) 74.927,-67.401 ccw(c74.662,-67.136) 75.037,-67.136 ccw(c74.662,-67.136) 74.927,-66.871 74.856,-66.8 cw(c74.945,-66.712) 74.856,-66.624 98.298,-43.182 103.754,-43.182 104.674,-42.262 106.712,-42.262 U1.B53@107.5,-43.05
HSIOM2_LVDS_8_N: J1.54 U1.B51 | length 134.8
  Solder Side w0.125: J1.54@53.798,-105.135 53.798,-103.761 54.073,-103.486 54.073,-101.7 ccw(c53.948,-101.7) 53.948,-101.575 53.454,-101.575 cw(c53.454,-101.45) 53.329,-101.45 cw(c53.454,-101.45) 53.454,-101.325 53.948,-101.325 ccw(c53.948,-101.2) 54.073,-101.2 54.073,-100.2 54.073,-91.117 58.49,-86.7 ccw(c58.402,-86.612) 58.527,-86.612 ccw(c58.402,-86.612) 58.49,-86.523 58.42,-86.453 cw(c58.685,-86.187) 58.42,-85.922 cw(c58.685,-86.187) 58.95,-85.922 59.445,-86.417 ccw(c59.533,-86.329) 59.621,-86.418 ; 59.622,-86.417 ccw(c59.533,-86.329) 59.658,-86.329 ccw(c59.533,-86.329) 59.622,-86.24 ; 59.622,-86.241 59.127,-85.745 cw(c59.392,-85.48) 59.127,-85.215 cw(c59.392,-85.48) 59.657,-85.215 60.152,-85.71 ccw(c60.241,-85.622) 60.329,-85.71 ccw(c60.241,-85.622) 60.366,-85.622 ccw(c60.241,-85.622) 60.329,-85.533 ; 60.329,-85.534 59.834,-85.038 cw(c60.099,-84.773) 59.834,-84.508 cw(c60.099,-84.773) 60.364,-84.508 60.86,-85.003 ccw(c60.948,-84.915) 61.036,-85.003 ccw(c60.948,-84.915) 61.073,-84.915 ccw(c60.948,-84.915) 61.036,-84.826 60.541,-84.331 cw(c60.806,-84.066) 60.541,-83.801 cw(c60.806,-84.066) 61.071,-83.801 61.567,-84.296 ; 61.566,-84.296 ccw(c61.655,-84.207) 61.743,-84.296 ; 61.743,-84.296 ccw(c61.655,-84.207) 61.78,-84.207 ccw(c61.655,-84.207) 61.743,-84.119 61.248,-83.624 cw(c61.513,-83.359) 61.248,-83.094 cw(c61.513,-83.359) 61.779,-83.094 62.274,-83.589 ccw(c62.362,-83.5) 62.45,-83.589 ccw(c62.362,-83.5) 62.487,-83.5 ccw(c62.362,-83.5) 62.45,-83.412 ; 62.451,-83.412 61.955,-82.917 cw(c62.22,-82.652) 61.955,-82.387 cw(c62.22,-82.652) 62.486,-82.387 62.981,-82.882 ccw(c63.069,-82.793) 63.157,-82.882 ccw(c63.069,-82.793) 63.194,-82.793 ccw(c63.069,-82.793) 63.157,-82.705 ; 63.158,-82.705 62.662,-82.21 cw(c62.928,-81.945) 62.662,-81.679 cw(c62.928,-81.945) 63.193,-81.679 63.688,-82.174 ccw(c63.776,-82.086) 63.864,-82.175 ccw(c63.776,-82.086) 63.901,-82.086 ccw(c63.776,-82.086) 63.865,-81.998 63.37,-81.503 cw(c63.635,-81.238) 63.37,-80.972 cw(c63.635,-81.238) 63.9,-80.972 63.971,-81.043 ccw(c64.059,-80.955) 64.147,-81.043 66,-79.19 ccw(c65.912,-79.102) 66.037,-79.102 ccw(c65.912,-79.102) 66,-79.014 65.929,-78.943 cw(c66.194,-78.678) 65.929,-78.413 cw(c66.194,-78.678) 66.46,-78.413 66.955,-78.908 ccw(c67.043,-78.819) 67.131,-78.908 ; 67.131,-78.908 ccw(c67.043,-78.819) 67.168,-78.819 ccw(c67.043,-78.819) 67.131,-78.731 ; 67.132,-78.731 66.636,-78.236 cw(c66.902,-77.971) 66.636,-77.706 cw(c66.902,-77.971) 67.167,-77.706 67.662,-78.201 ccw(c67.75,-78.112) 67.838,-78.201 ccw(c67.75,-78.112) 67.875,-78.112 ccw(c67.75,-78.112) 67.838,-78.024 ; 67.839,-78.024 67.344,-77.529 cw(c67.609,-77.264) 67.344,-76.998 cw(c67.609,-77.264) 67.874,-76.998 68.369,-77.494 ccw(c68.457,-77.405) 68.545,-77.494 ; 68.546,-77.493 ccw(c68.457,-77.405) 68.582,-77.405 ccw(c68.457,-77.405) 68.546,-77.317 68.051,-76.822 cw(c68.316,-76.556) 68.051,-76.291 cw(c68.316,-76.556) 68.581,-76.291 69.076,-76.786 ccw(c69.164,-76.698) 69.252,-76.787 ; 69.253,-76.786 ccw(c69.164,-76.698) 69.289,-76.698 ccw(c69.164,-76.698) 69.253,-76.609 68.758,-76.114 cw(c69.023,-75.849) 68.758,-75.584 cw(c69.023,-75.849) 69.288,-75.584 69.783,-76.079 ccw(c69.871,-75.991) 69.96,-76.079 ccw(c69.871,-75.991) 69.996,-75.991 ccw(c69.871,-75.991) 69.96,-75.902 ; 69.96,-75.903 69.465,-75.407 cw(c69.73,-75.142) 69.465,-74.877 cw(c69.73,-75.142) 69.995,-74.877 70.49,-75.372 ccw(c70.579,-75.284) 70.667,-75.372 ; 70.667,-75.372 ccw(c70.579,-75.284) 70.704,-75.284 ccw(c70.579,-75.284) 70.667,-75.195 70.172,-74.7 cw(c70.437,-74.435) 70.172,-74.17 cw(c70.437,-74.435) 70.702,-74.17 71.197,-74.665 ccw(c71.286,-74.577) 71.374,-74.665 ccw(c71.286,-74.577) 71.411,-74.577 ccw(c71.286,-74.577) 71.374,-74.488 ; 71.374,-74.488 70.879,-73.993 cw(c71.144,-73.728) 70.879,-73.463 cw(c71.144,-73.728) 71.409,-73.463 71.905,-73.958 ccw(c71.993,-73.869) 72.081,-73.958 ccw(c71.993,-73.869) 72.118,-73.869 ccw(c71.993,-73.869) 72.081,-73.781 71.586,-73.286 cw(c71.851,-73.021) 71.586,-72.756 cw(c71.851,-73.021) 72.117,-72.756 72.612,-73.251 ; 72.612,-73.251 ccw(c72.7,-73.162) 72.788,-73.251 ; 72.788,-73.251 ccw(c72.7,-73.162) 72.825,-73.162 ccw(c72.7,-73.162) 72.788,-73.074 72.293,-72.579 cw(c72.559,-72.314) 72.293,-72.049 cw(c72.559,-72.314) 72.824,-72.049 73.319,-72.544 ; 73.248,-72.119 73,-71.872 cw(c73.266,-71.607) 73,-71.341 cw(c73.266,-71.607) 73.531,-71.341 74.026,-71.836 ccw(c74.114,-71.748) 74.202,-71.837 ccw(c74.114,-71.748) 74.239,-71.748 ccw(c74.114,-71.748) 74.203,-71.66 ; 73.248,-72.119 73.495,-72.367 ; 73.319,-72.544 ccw(c73.407,-72.455) 73.495,-72.544 ccw(c73.407,-72.455) 73.532,-72.455 ccw(c73.407,-72.455) 73.496,-72.367 ; 74.203,-71.66 73.708,-71.165 cw(c73.973,-70.9) 73.708,-70.634 cw(c73.973,-70.9) 74.238,-70.634 74.733,-71.129 ccw(c74.821,-71.041) 74.909,-71.13 ccw(c74.821,-71.041) 74.946,-71.041 ccw(c74.821,-71.041) 74.91,-70.953 74.415,-70.458 cw(c74.68,-70.192) 74.415,-69.927 cw(c74.68,-70.192) 74.945,-69.927 75.44,-70.422 ccw(c75.528,-70.334) 75.616,-70.423 ; 75.617,-70.422 ccw(c75.528,-70.334) 75.653,-70.334 ccw(c75.528,-70.334) 75.617,-70.245 75.122,-69.75 cw(c75.387,-69.485) 75.122,-69.22 cw(c75.387,-69.485) 75.652,-69.22 76.147,-69.715 ; 76.147,-69.715 ccw(c76.236,-69.627) 76.323,-69.715 ; 76.324,-69.715 ccw(c76.236,-69.627) 76.361,-69.627 ccw(c76.236,-69.627) 76.324,-69.538 75.829,-69.043 cw(c76.094,-68.778) 75.829,-68.513 cw(c76.094,-68.778) 76.359,-68.513 76.854,-69.008 ; 76.854,-69.008 ccw(c76.943,-68.92) 77.031,-69.008 ; 77.031,-69.008 ccw(c76.943,-68.92) 77.068,-68.92 ccw(c76.943,-68.92) 77.031,-68.831 76.536,-68.336 cw(c76.801,-68.071) 76.536,-67.806 cw(c76.801,-68.071) 77.066,-67.806 77.561,-68.301 ccw(c77.65,-68.212) 77.738,-68.301 ccw(c77.65,-68.212) 77.775,-68.212 ccw(c77.65,-68.212) 77.738,-68.124 ; 77.738,-68.124 77.243,-67.629 cw(c77.508,-67.364) 77.243,-67.099 cw(c77.508,-67.364) 77.773,-67.099 77.844,-67.169 ccw(c77.933,-67.081) 78.021,-67.169 98.194,-46.996 100.476,-46.996 100.48,-46.992 103.278,-46.992 104.294,-45.976 106.574,-45.976 U1.B51@107.5,-45.05
HSIOM2_LVDS_8_P: J1.52 U1.B50 | length 134.8
  Solder Side w0.125: J1.52@54.598,-105.135 54.598,-103.761 54.323,-103.486 54.323,-101.7 54.323,-101.2 54.323,-100.2 54.323,-91.221 58.667,-86.877 ccw(c58.402,-86.612) 58.777,-86.612 ccw(c58.402,-86.612) 58.667,-86.346 58.597,-86.276 cw(c58.685,-86.187) 58.596,-86.099 cw(c58.685,-86.187) 58.773,-86.099 59.268,-86.594 ccw(c59.533,-86.329) 59.799,-86.594 ccw(c59.533,-86.329) 59.908,-86.329 ccw(c59.533,-86.329) 59.799,-86.064 59.304,-85.569 cw(c59.392,-85.48) 59.303,-85.392 ; 59.304,-85.392 cw(c59.392,-85.48) 59.48,-85.392 59.975,-85.887 ccw(c60.241,-85.622) 60.506,-85.887 ccw(c60.241,-85.622) 60.616,-85.622 ccw(c60.241,-85.622) 60.506,-85.356 60.01,-84.861 ; 60.01,-84.685 ccw(c60.099,-84.773) 60.011,-84.862 ; 60.011,-84.684 cw(c60.099,-84.773) 60.188,-84.685 60.682,-85.18 ccw(c60.948,-84.915) 61.213,-85.18 ccw(c60.948,-84.915) 61.323,-84.915 ccw(c60.948,-84.915) 61.213,-84.649 60.718,-84.154 cw(c60.806,-84.066) 60.717,-83.978 cw(c60.806,-84.066) 60.895,-83.978 61.39,-84.473 ccw(c61.655,-84.207) 61.92,-84.473 ccw(c61.655,-84.207) 62.03,-84.207 ccw(c61.655,-84.207) 61.92,-83.942 61.425,-83.447 cw(c61.513,-83.359) 61.425,-83.27 cw(c61.513,-83.359) 61.602,-83.27 61.849,-83.518 ; 61.849,-83.518 62.097,-83.765 ccw(c62.362,-83.5) 62.627,-83.765 ccw(c62.362,-83.5) 62.737,-83.5 ccw(c62.362,-83.5) 62.627,-83.235 62.132,-82.74 cw(c62.22,-82.652) 62.132,-82.564 cw(c62.22,-82.652) 62.309,-82.563 62.804,-83.058 ccw(c63.069,-82.793) 63.334,-83.058 ccw(c63.069,-82.793) 63.444,-82.793 ccw(c63.069,-82.793) 63.334,-82.528 62.839,-82.033 cw(c62.928,-81.945) 62.839,-81.857 ; 62.839,-81.856 cw(c62.928,-81.945) 63.016,-81.856 63.511,-82.351 ccw(c63.776,-82.086) 64.041,-82.351 ccw(c63.776,-82.086) 64.151,-82.086 ccw(c63.776,-82.086) 64.041,-81.821 63.546,-81.326 ; 63.546,-81.326 cw(c63.635,-81.238) 63.546,-81.15 ; 63.546,-81.149 cw(c63.635,-81.238) 63.723,-81.149 ; 63.723,-81.149 63.794,-81.22 ccw(c64.059,-80.955) 64.324,-81.22 66.177,-79.367 ccw(c65.912,-79.102) 66.287,-79.102 ccw(c65.912,-79.102) 66.177,-78.837 66.106,-78.766 cw(c66.194,-78.678) 66.106,-78.59 cw(c66.194,-78.678) 66.283,-78.589 66.778,-79.084 ccw(c67.043,-78.819) 67.308,-79.084 ccw(c67.043,-78.819) 67.418,-78.819 ccw(c67.043,-78.819) 67.308,-78.554 66.813,-78.059 cw(c66.902,-77.971) 66.813,-77.883 ; 66.813,-77.882 cw(c66.902,-77.971) 66.99,-77.882 67.485,-78.377 ccw(c67.75,-78.112) 68.015,-78.377 ccw(c67.75,-78.112) 68.125,-78.112 ccw(c67.75,-78.112) 68.015,-77.847 67.52,-77.352 ; 67.52,-77.176 ccw(c67.609,-77.264) 67.52,-77.352 ; 67.521,-77.175 cw(c67.609,-77.264) 67.697,-77.175 68.192,-77.67 ccw(c68.457,-77.405) 68.722,-77.67 ccw(c68.457,-77.405) 68.832,-77.405 ccw(c68.457,-77.405) 68.722,-77.14 68.227,-76.645 ; 68.227,-76.645 cw(c68.316,-76.556) 68.227,-76.468 ; 68.227,-76.468 cw(c68.316,-76.556) 68.404,-76.468 68.899,-76.963 ccw(c69.164,-76.698) 69.43,-76.963 ccw(c69.164,-76.698) 69.539,-76.698 ccw(c69.164,-76.698) 69.43,-76.433 68.934,-75.937 cw(c69.023,-75.849) 68.935,-75.761 cw(c69.023,-75.849) 69.111,-75.761 69.359,-76.008 ; 69.359,-76.009 69.606,-76.256 ccw(c69.871,-75.991) 70.137,-76.256 ccw(c69.871,-75.991) 70.246,-75.991 ccw(c69.871,-75.991) 70.137,-75.726 69.642,-75.231 cw(c69.73,-75.142) 69.641,-75.054 cw(c69.73,-75.142) 69.818,-75.054 70.313,-75.549 ccw(c70.579,-75.284) 70.844,-75.549 ccw(c70.579,-75.284) 70.954,-75.284 ccw(c70.579,-75.284) 70.844,-75.018 70.349,-74.523 cw(c70.437,-74.435) 70.348,-74.347 ; 70.349,-74.347 cw(c70.437,-74.435) 70.526,-74.347 71.021,-74.842 ccw(c71.286,-74.577) 71.551,-74.842 ccw(c71.286,-74.577) 71.661,-74.577 ccw(c71.286,-74.577) 71.551,-74.311 71.056,-73.816 ; 71.055,-73.64 ccw(c71.144,-73.728) 71.056,-73.816 ; 71.056,-73.64 cw(c71.144,-73.728) 71.233,-73.64 71.728,-74.135 ccw(c71.993,-73.869) 72.258,-74.135 ccw(c71.993,-73.869) 72.368,-73.869 ccw(c71.993,-73.869) 72.258,-73.604 ; 71.763,-72.933 ccw(c71.851,-73.021) 71.763,-73.109 72.258,-73.604 ; 71.763,-72.932 cw(c71.851,-73.021) 71.94,-72.932 72.435,-73.427 ccw(c72.7,-73.162) 72.965,-73.427 ccw(c72.7,-73.162) 73.075,-73.162 ccw(c72.7,-73.162) 72.965,-72.897 72.47,-72.402 cw(c72.559,-72.314) 72.47,-72.226 cw(c72.559,-72.314) 72.647,-72.225 73.142,-72.72 ccw(c73.407,-72.455) 73.672,-72.72 ccw(c73.407,-72.455) 73.782,-72.455 ccw(c73.407,-72.455) 73.672,-72.19 73.177,-71.695 cw(c73.266,-71.607) 73.177,-71.518 cw(c73.266,-71.607) 73.354,-71.518 73.849,-72.013 ccw(c74.114,-71.748) 74.379,-72.013 ccw(c74.114,-71.748) 74.489,-71.748 ccw(c74.114,-71.748) 74.379,-71.483 73.884,-70.988 cw(c73.973,-70.9) 73.884,-70.812 ; 73.884,-70.811 cw(c73.973,-70.9) 74.061,-70.811 74.556,-71.306 ccw(c74.821,-71.041) 75.086,-71.306 ccw(c74.821,-71.041) 75.196,-71.041 ccw(c74.821,-71.041) 75.086,-70.776 74.591,-70.281 ; 74.591,-70.281 cw(c74.68,-70.192) 74.591,-70.104 ; 74.591,-70.104 cw(c74.68,-70.192) 74.768,-70.104 ; 74.768,-70.104 75.263,-70.599 ccw(c75.528,-70.334) 75.794,-70.599 ccw(c75.528,-70.334) 75.903,-70.334 ccw(c75.528,-70.334) 75.794,-70.069 75.298,-69.573 cw(c75.387,-69.485) 75.298,-69.397 ; 75.299,-69.396 cw(c75.387,-69.485) 75.475,-69.397 75.97,-69.892 ccw(c76.236,-69.627) 76.501,-69.892 ccw(c76.236,-69.627) 76.611,-69.627 ccw(c76.236,-69.627) 76.501,-69.362 76.005,-68.866 cw(c76.094,-68.778) 76.005,-68.69 cw(c76.094,-68.778) 76.182,-68.69 76.677,-69.185 ccw(c76.943,-68.92) 77.208,-69.185 ccw(c76.943,-68.92) 77.318,-68.92 ccw(c76.943,-68.92) 77.208,-68.654 76.713,-68.159 cw(c76.801,-68.071) 76.713,-67.983 cw(c76.801,-68.071) 76.889,-67.982 77.137,-68.23 77.385,-68.478 ccw(c77.65,-68.212) 77.915,-68.478 ccw(c77.65,-68.212) 78.025,-68.212 ccw(c77.65,-68.212) 77.915,-67.947 77.42,-67.452 cw(c77.508,-67.364) 77.42,-67.276 ; 77.42,-67.276 cw(c77.508,-67.364) 77.597,-67.276 77.667,-67.346 ccw(c77.933,-67.081) 78.198,-67.346 98.298,-47.246 100.58,-47.246 100.584,-47.242 103.382,-47.242 104.398,-46.226 109.324,-46.226 U1.B50@109.5,-46.05